# Altium PCB Copy of DIOT_temperature_logger.PcbDoc (part 6 of 7)
Units mm, origin at the board's own origin, x right, y up, seen from the top; angles counter-clockwise.
Board outline 301.1 x 109.1 mm, 4 copper layers (TOP, MID1, MID2, BOT), stack 1.564 mm thick; 651 components, 619 nets, 2526 pads, 1345 vias.
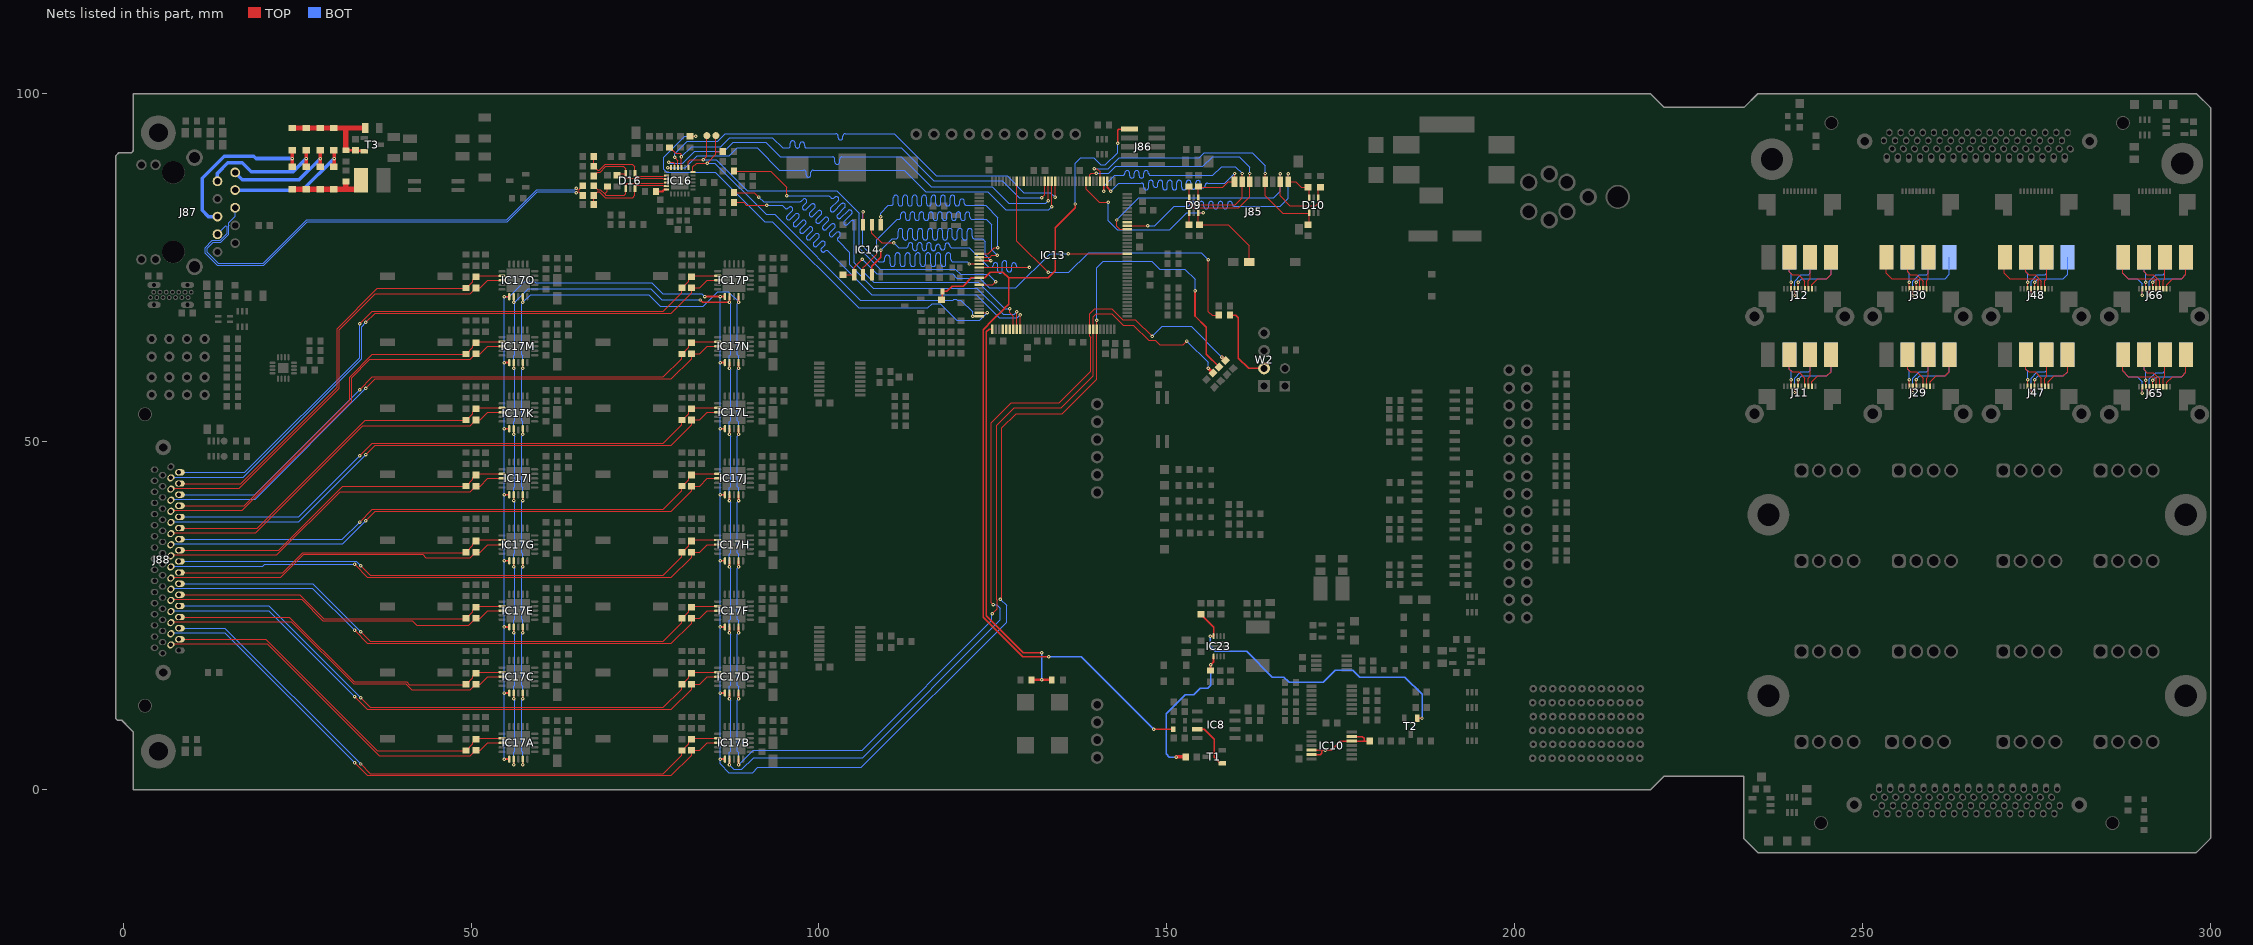
[diagram p8: the nets of this part, all layers, seen from the top]

## Via types
v1: diameter 0.5, hole 0.2, TOP to BOT, tented both sides, 1333 vias
v2: diameter 0.66, hole 0.33, TOP to BOT, tented both sides, 6 vias
v3: diameter 0.6, hole 0.3, TOP to BOT, tented both sides, 6 vias

## Nets (pads, with @x,y where several pads share a name; then routed paths per layer and width w, separated by ;. In a path a pad name is that pad's centre, name@x,y a point inside that pad or via, vN(x,y) a via of type N, cw(c..) or ccw(c..) an arc to the next point about the centre after c; other vN are vias at no path point) (continued)
PFORCE_N12: J65.2 J67.1 | length 8.3
  TOP w0.152: J65.2@290.225,57.901 J65.2@290.25,57.925 v1(290.25,57.001)
  BOT w0.152: J67.1@287.4,62.426 287.4,60.175 288.2,59.375 289.525,59.375 290.25,58.65 v1(290.25,57.001)
PFORCE_N13: J66.2 J68.1 | length 8.3
  TOP w0.152: J66.2@290.225,71.976 290.25,72.001 v1(290.25,71.076)
  BOT w0.152: J68.1@287.4,76.501 287.4,74.25 288.2,73.45 289.525,73.45 290.25,72.725 v1(290.25,71.076)
PFORCE_N14: J65.6 J75.1 | length 8.7
  TOP w0.152: J75.1@287.4,62.426 287.4,60.175 288.2,59.375 291.925,59.375 292.25,59.05 J65.6@292.25,57.925
PFORCE_N15: J66.9 J82.1 | length 6.4
  TOP w0.152: J66.9@293.75,72.001 293.75,72.6 294.6,73.45 295.9,73.45 296.5,74.05 J82.1@296.5,76.5
PFORCE_P00: J11.5 J19.1 | length 8.6
  TOP w0.152: J11.5@240.76,58 v1(240.76,58.925)
  BOT w0.152: v1(240.76,58.925) 241.285,59.45 244.9,59.45 245.5,60.05 J19.1@245.5,62.5
PFORCE_P01: J12.5 J20.1 | length 8.6
  TOP w0.152: J12.5@240.76,72.001 v1(240.76,72.925)
  BOT w0.152: v1(240.76,72.925) 241.285,73.45 244.9,73.45 245.5,74.05 J20.1@245.5,76.5
PFORCE_P02: J11.9 J27.1 | length 6.4
  TOP w0.152: J11.9@242.75,58 242.75,58.6 243.6,59.45 244.9,59.45 245.5,60.05 J27.1@245.5,62.5
PFORCE_P03: J12.9 J28.1 | length 6.4
  TOP w0.152: J12.9@242.75,72.001 242.75,72.6 243.6,73.45 244.9,73.45 245.5,74.05 J28.1@245.5,76.5
PFORCE_P04: J29.5 J37.1 | length 8.6
  TOP w0.152: J29.5@257.76,58 v1(257.76,58.925)
  BOT w0.152: v1(257.76,58.925) 258.285,59.45 261.9,59.45 262.5,60.05 J37.1@262.5,62.5
PFORCE_P05: J30.5 J38.1 | length 8.6
  TOP w0.152: J30.5@257.76,72.001 v1(257.76,72.925)
  BOT w0.152: v1(257.76,72.925) 258.285,73.45 261.9,73.45 262.5,74.05 J38.1@262.5,76.5
PFORCE_P06: J29.9 J45.1 | length 6.4
  TOP w0.152: J29.9@259.75,58 259.75,58.6 260.6,59.45 261.9,59.45 262.5,60.05 J45.1@262.5,62.5
PFORCE_P07: J30.6 J40.1 | length 8.7
  TOP w0.152: J40.1@253.4,76.501 253.4,74.25 254.2,73.45 257.925,73.45 258.25,73.125 J30.6@258.25,72.001
PFORCE_P08: J47.5 J55.1 | length 8.6
  TOP w0.152: J47.5@274.76,58 v1(274.76,58.925)
  BOT w0.152: v1(274.76,58.925) 275.285,59.45 278.9,59.45 279.5,60.05 J55.1@279.5,62.5
PFORCE_P09: J48.5 J56.1 | length 8.6
  TOP w0.152: J48.5@274.76,72.001 v1(274.76,72.925)
  BOT w0.152: v1(274.76,72.925) 275.285,73.45 278.9,73.45 279.5,74.05 J56.1@279.5,76.5
PFORCE_P10: J47.9 J63.1 | length 6.4
  TOP w0.152: J47.9@276.75,58 276.75,58.6 277.6,59.45 278.9,59.45 279.5,60.05 J63.1@279.5,62.5
PFORCE_P11: J48.6 J58.1 | length 8.7
  TOP w0.152: J58.1@270.4,76.501 270.4,74.25 271.2,73.45 274.925,73.45 275.25,73.125 J48.6@275.25,72.001
PFORCE_P12: J65.5 J73.1 | length 8.6
  TOP w0.152: J65.5@291.76,57.925 v1(291.76,58.85)
  BOT w0.152: v1(291.76,58.85) 292.285,59.375 295.9,59.375 296.5,59.975 J73.1@296.5,62.426
PFORCE_P13: J66.5 J74.1 | length 8.6
  TOP w0.152: J66.5@291.76,72.001 v1(291.76,72.925)
  BOT w0.152: v1(291.76,72.925) 292.285,73.45 295.9,73.45 296.5,74.05 J74.1@296.5,76.5
PFORCE_P14: J65.9 J81.1 | length 6.4
  TOP w0.152: J65.9@293.75,57.925 293.75,58.525 294.6,59.375 295.9,59.375 296.5,59.975 J81.1@296.5,62.426
PFORCE_P15: J66.6 J76.1 | length 8.7
  TOP w0.152: J76.1@287.4,76.501 287.4,74.25 288.2,73.45 291.925,73.45 292.25,73.125 J66.6@292.25,72.001
PGOOD: IC23.7 R152.1 T2.1 | length 44.6
  TOP w0.2: R152.1@154.9,25.2 156.75,23.35 IC23.7@156.75,22.05 v1(156.275,22.05) ; T2.1@186.05,10.25 v1(186.7,10.25)
  BOT w0.2: v1(156.275,22.05) 156.275,20.625 157,19.9 161.475,19.9 165.2,16.175 166.848,16.175 167.623,15.4 172.525,15.4 174.25,17.125 176.775,17.125 177.725,16.175 184.225,16.175 186.7,13.7 v1(186.7,10.25)
PHY_NRST: IC13.129 IC16.15 R110.2 | length 65.8
  TOP w0.171: R110.2@78.5,92.3 78.865,91.935 78.965,91.935 79.45,91.45 80.1,91.45 80.238,91.312 80.238,90.962 v1(80.25,90.95) IC16.15@80.25,89.4 ; v1(132.025,85.05) 132.475,85.5 132.475,87.4 IC13.129@132.45,87.425
  BOT w0.171: v1(80.25,90.95) 81.725,92.425 85.925,92.425 87.225,93.725 93.275,93.725 94.775,92.225 95.475,92.225 95.56,92.225 ccw(c95.56,92.564) 95.9,92.564 95.9,92.919 cw(c96.239,92.919) 96.239,93.258 cw(c96.239,92.919) 96.578,92.919 96.578,92.548 ccw(c96.918,92.548) 96.918,92.209 ccw(c96.918,92.548) 97.257,92.548 97.257,92.751 cw(c97.596,92.751) 97.596,93.09 cw(c97.596,92.751) 97.936,92.751 97.936,92.564 ccw(c98.275,92.564) 98.275,92.225 99.512,92.225 111.825,92.225 116.55,87.5 126.375,87.5 128.825,85.05 v1(132.025,85.05)
PHY_RD_N: D16.1 IC16.22 R103.1 R112.1 | length 13.8
  TOP w0.127: R103.1@67.65,86.8 68.21,86.24 68.559,86.24 69.187,85.612 ; R112.1@69.6,86.7 69.6,86.025 69.187,85.612 ; IC16.22@78.1,87.25 77.691,87.25 77.571,87.129 72.441,87.129 72.25,86.939 D16.1@72.25,86.4 72.25,85.65 72,85.4 69.399,85.4 69.187,85.612
PHY_RD_P: D16.3 IC16.23 R101.1 R113.1 | length 13.8
  TOP w0.127: R113.1@67.65,84.1 R101.1@67.65,85.4 68.21,85.96 68.444,85.96 69.304,85.1 73.225,85.1 73.55,85.425 D16.3@73.55,86.4 73.55,86.647 73.753,86.85 77.591,86.85 77.691,86.75 IC16.23@78.1,86.75
PHY_TD_N: D16.4 IC16.20 R97.1 R115.1 | length 13.9
  TOP w0.127: R115.1@67.65,91 R97.1@67.65,89.6 68.21,89.04 68.444,89.04 69.279,89.875 73.171,89.875 73.55,89.496 D16.4@73.55,88.6 73.55,88.356 73.763,88.144 77.585,88.144 77.691,88.25 IC16.20@78.1,88.25
PHY_TD_P: D16.6 IC16.21 R96.1 R114.1 | length 13.8
  TOP w0.127: R96.1@67.65,88.2 68.21,88.76 68.559,88.76 69.374,89.575 71.9,89.575 72.25,89.225 D16.6@72.25,88.6 D16.6@72.2,88.55 ; R114.1@71,88.3 71.2,88.5 72.15,88.5 D16.6@72.2,88.55 ; IC16.21@78.1,87.75 77.691,87.75 77.581,87.86 72.39,87.86 72.2,88.05 D16.6@72.2,88.55
POE_IN1: D12.2 D17.1 J87.5 | length 24
  TOP w0.508: D12.2@24.2,89.5 D12.2@24.225,89.525 ; D12.2@24.325,89.525 v1(24.325,90.713) D17.1@24.325,91.9
  BOT w0.508: J87.5@13.496,82.365 12.258,82.365 11.35,83.273 11.35,87.875 14.525,91.05 18.775,91.05 19.112,90.713 v1(24.325,90.713)
POE_IN2: D13.2 D18.1 J87.8 | length 18.5
  TOP w0.5: D13.2@30.2,89.5 D13.2@30.225,89.525 ; D13.2@30.325,89.525 v1(30.325,90.713) D18.1@30.325,91.9
  BOT w0.508: J87.8@16.115,86.15 25.762,86.15 v1(30.325,90.713)
POE_IN3: D14.2 D19.1 J87.10 | length 16.3
  TOP w0.508: D14.2@28.3,89.5 v1(28.3,90.7) D19.1@28.3,91.9
  BOT w0.508: J87.10@16.09,88.715 17.13,87.675 25.275,87.675 v1(28.3,90.7)
POE_IN4: D15.2 D20.1 J87.9 | length 18.3
  TOP w0.508: D15.2@26.2,89.5 D15.2@26.225,89.525 ; D15.2@26.325,89.525 v1(26.325,90.713) D20.1@26.325,91.9
  BOT w0.508: J87.9@13.55,87.445 13.55,88.6 15.05,90.1 17.125,90.1 18.425,88.8 24.412,88.8 v1(26.325,90.713)
POE_PWR_SRC: IC13.37 R145.1 R146.2 | length 58.8
  TOP w0.2: IC13.37@124.95,66.175 124.475,66.175 124.075,65.775 124.075,24.95 129.375,19.65 v1(132.025,19.65)
  TOP w0.4: R145.1@130.575,15.775 v1(132.025,15.775) R146.2@133.475,15.775
  BOT w0.2: v1(132.025,15.775) v1(132.025,19.65)
POE_VC+: D12.1 D13.1 D14.1 D15.1 L7.1 R143.2 | length 11.9
  TOP w0.762: D12.1@24.3,86.3 D15.1@26.3,86.3 D14.1@28.3,86.3 D13.1@30.3,86.3 32.026,86.3 ; R143.2@32,87.4 32,86.326 32.026,86.3 ; L7.1@34.2,87.6 34.2,86.919 33.581,86.3 32.026,86.3
POE_VC-: D17.2 D18.2 D19.2 D20.2 R147.1 R149.1 R150.1 T3.2 | length 16.2
  TOP w0.4: R149.1@32,91.9 R150.1@33.4,91.9 ; R150.1@33.475,91.825 T3.2@34.575,91.825
  TOP w0.762: D17.2@24.3,95.1 D20.2@26.3,95.1 D19.2@28.3,95.1 D18.2@30.3,95.1 34.706,95.1 34.8,95.006 R147.1@34.8,95 ; R149.1@32,91.9 32,95.026
PRTDIN_N00: J11.3 J15.1 | length 4.6
  TOP w0.152: J11.3@239.75,58 v1(239.75,58.925)
  BOT w0.152: J15.1@239.5,62.5 239.5,60.425 239.75,60.175 v1(239.75,58.925)
PRTDIN_N01: J12.3 J16.1 | length 4.6
  TOP w0.152: J12.3@239.75,72.001 v1(239.75,72.925)
  BOT w0.152: J16.1@239.5,76.5 239.5,74.425 239.75,74.175 v1(239.75,72.925)
PRTDIN_N02: J11.7 J23.1 | length 6
  TOP w0.152: J23.1@239.5,62.5 239.5,60.425 239.9,60.025 240.825,60.025 241.75,59.1 J11.7@241.75,58
PRTDIN_N03: J12.7 J24.1 | length 6
  TOP w0.152: J24.1@239.5,76.5 239.5,74.425 239.9,74.025 240.825,74.025 241.75,73.1 J12.7@241.75,72.001
PRTDIN_N04: J29.3 J33.1 | length 4.6
  TOP w0.152: J29.3@256.75,58 v1(256.75,58.925)
  BOT w0.152: J33.1@256.5,62.5 256.5,60.425 256.75,60.175 v1(256.75,58.925)
PRTDIN_N05: J30.3 J34.1 | length 4.6
  TOP w0.152: J30.3@256.75,72.001 v1(256.75,72.925)
  BOT w0.152: J34.1@256.5,76.5 256.5,74.425 256.75,74.175 v1(256.75,72.925)
PRTDIN_N06: J29.7 J41.1 | length 6
  TOP w0.152: J41.1@256.5,62.5 256.5,60.425 256.9,60.025 257.825,60.025 258.75,59.1 J29.7@258.75,58
PRTDIN_N07: J30.8 J44.1 | length 4.6
  TOP w0.152: J30.8@259.25,72.001 259.25,73.15 259.5,73.4 J44.1@259.5,76.5
PRTDIN_N08: J47.3 J51.1 | length 4.6
  TOP w0.152: J47.3@273.75,58 v1(273.75,58.925)
  BOT w0.152: J51.1@273.5,62.5 273.5,60.425 273.75,60.175 v1(273.75,58.925)
PRTDIN_N09: J48.3 J52.1 | length 4.6
  TOP w0.152: J48.3@273.75,72.001 v1(273.75,72.925)
  BOT w0.152: J52.1@273.5,76.5 273.5,74.425 273.75,74.175 v1(273.75,72.925)
PRTDIN_N10: J47.7 J59.1 | length 6
  TOP w0.152: J59.1@273.5,62.5 273.5,60.425 273.9,60.025 274.825,60.025 275.75,59.1 J47.7@275.75,58
PRTDIN_N11: J48.8 J62.1 | length 4.6
  TOP w0.152: J48.8@276.25,72.001 276.25,73.15 276.5,73.4 J62.1@276.5,76.5
PRTDIN_N12: J65.3 J69.1 | length 4.6
  TOP w0.152: J65.3@290.75,57.925 v1(290.75,58.85)
  BOT w0.152: J69.1@290.5,62.426 290.5,60.35 290.75,60.1 v1(290.75,58.85)
PRTDIN_N13: J66.3 J70.1 | length 4.6
  TOP w0.152: J66.3@290.75,72.001 v1(290.75,72.925)
  BOT w0.152: J70.1@290.5,76.5 290.5,74.425 290.75,74.175 v1(290.75,72.925)
PRTDIN_N14: J65.7 J77.1 | length 6
  TOP w0.152: J77.1@290.5,62.426 290.5,60.35 290.9,59.95 291.825,59.95 292.75,59.025 J65.7@292.75,57.925
PRTDIN_N15: J66.8 J80.1 | length 4.6
  TOP w0.152: J66.8@293.25,72.001 293.25,73.15 293.5,73.4 J80.1@293.5,76.5
PRTDIN_P00: J11.4 J17.1 | length 7.9
  TOP w0.152: v1(240.25,57.076) J11.4@240.25,58
  BOT w0.152: v1(240.25,57.076) 240.25,59.1 241.175,60.025 242.261,60.025 242.5,60.264 J17.1@242.5,62.5
PRTDIN_P01: J12.4 J18.1 | length 7.9
  TOP w0.152: v1(240.25,71.076) J12.4@240.25,72.001
  BOT w0.152: v1(240.25,71.076) 240.25,73.101 241.175,74.025 242.261,74.025 242.5,74.265 J18.1@242.5,76.5
PRTDIN_P02: J11.8 J25.1 | length 4.6
  TOP w0.152: J11.8@242.25,58 242.25,59.15 242.5,59.4 J25.1@242.5,62.5
PRTDIN_P03: J12.8 J26.1 | length 4.6
  TOP w0.152: J12.8@242.25,72.001 242.25,73.15 242.5,73.4 J26.1@242.5,76.5
PRTDIN_P04: J29.4 J35.1 | length 7.9
  TOP w0.152: v1(257.25,57.076) J29.4@257.25,58
  BOT w0.152: v1(257.25,57.076) 257.25,59.1 258.175,60.025 259.261,60.025 259.5,60.264 J35.1@259.5,62.5
PRTDIN_P05: J30.4 J36.1 | length 7.9
  TOP w0.152: v1(257.25,71.076) J30.4@257.25,72.001
  BOT w0.152: v1(257.25,71.076) 257.25,73.101 258.175,74.025 259.261,74.025 259.5,74.265 J36.1@259.5,76.5
PRTDIN_P06: J29.8 J43.1 | length 4.6
  TOP w0.152: J29.8@259.25,58 259.25,59.15 259.5,59.4 J43.1@259.5,62.5
PRTDIN_P07: J30.7 J42.1 | length 6
  TOP w0.152: J42.1@256.5,76.5 256.5,74.425 256.9,74.025 257.825,74.025 258.75,73.1 J30.7@258.75,72.001
PRTDIN_P08: J47.4 J53.1 | length 7.9
  TOP w0.152: v1(274.25,57.076) J47.4@274.25,58
  BOT w0.152: v1(274.25,57.076) 274.25,59.1 275.175,60.025 276.261,60.025 276.5,60.264 J53.1@276.5,62.5
PRTDIN_P09: J48.4 J54.1 | length 7.9
  TOP w0.152: v1(274.25,71.076) J48.4@274.25,72.001
  BOT w0.152: v1(274.25,71.076) 274.25,73.101 275.175,74.025 276.261,74.025 276.5,74.265 J54.1@276.5,76.5
PRTDIN_P10: J47.8 J61.1 | length 4.6
  TOP w0.152: J47.8@276.25,58 276.25,59.15 276.5,59.4 J61.1@276.5,62.5
PRTDIN_P11: J48.7 J60.1 | length 6
  TOP w0.152: J60.1@273.5,76.5 273.5,74.425 273.9,74.025 274.825,74.025 275.75,73.1 J48.7@275.75,72.001
PRTDIN_P12: J65.4 J71.1 | length 7.9
  TOP w0.152: v1(291.25,57.001) J65.4@291.25,57.925
  BOT w0.152: v1(291.25,57.001) 291.25,59.026 292.175,59.95 293.261,59.95 293.5,60.19 J71.1@293.5,62.426
PRTDIN_P13: J66.4 J72.1 | length 7.9
  TOP w0.152: v1(291.25,71.076) J66.4@291.25,72.001
  BOT w0.152: v1(291.25,71.076) 291.25,73.101 292.175,74.025 293.261,74.025 293.5,74.265 J72.1@293.5,76.5
PRTDIN_P14: J65.8 J79.1 | length 4.6
  TOP w0.152: J65.8@293.25,57.925 293.25,59.075 293.5,59.325 J79.1@293.5,62.426
PRTDIN_P15: J66.7 J78.1 | length 6
  TOP w0.152: J78.1@290.5,76.5 290.5,74.425 290.9,74.025 291.825,74.025 292.75,73.1 J66.7@292.75,72.001
PSU_EN: IC23.8 R33.2 R151.1 | length 22
  TOP w0.3: R151.1@156.3,17.1 156.3,17.906 v1(156.313,17.919) 156.75,18.356 IC23.8@156.75,19.15
  TOP w0.5: v1(151.35,4.675) 151.35,4.7 R33.2@152.725,4.7
  BOT w0.2: v1(151.35,4.675) 150.375,4.675 149.925,5.125 149.925,10.873 152.702,13.65 153.925,13.65 154.85,14.575 155.925,14.575 156.313,14.963 v1(156.313,17.919)
QSPI_BK1_CLK: IC13.22 IC14.6 | length 45.9
  TOP w0.171: IC14.6@107.635,81.2 107.635,79.99 109.05,78.575 v1(110.775,78.575) ; IC13.22@123.075,75.05 v1(130.275,75.05)
  BOT w0.152: v1(110.775,78.575) 111.45,77.9 112.444,77.9 112.52,77.9 ccw(c112.52,78.23) 112.85,78.23 112.85,78.272 cw(c113.18,78.272) 113.51,78.272 113.51,77.798 ccw(c113.841,77.798) 114.171,77.798 114.171,78.272 cw(c114.501,78.272) 114.831,78.272 114.831,77.798 ccw(c115.161,77.798) 115.492,77.798 115.492,78.272 cw(c115.822,78.272) 116.152,78.272 116.152,77.798 ccw(c116.482,77.798) 116.812,77.798 116.812,78.036 cw(c117.143,78.036) 117.473,78.036 117.473,77.9 ccw(c117.803,77.9) 118.133,77.9 118.133,78.23 cw(c118.463,78.23) 118.794,78.23 ccw(c119.124,78.23) 119.124,77.9 121.141,77.9 121.6,77.9 124.45,75.05 124.651,75.05 124.727,75.05 ccw(c124.727,75.38) 125.058,75.38 125.058,75.397 cw(c125.388,75.397) 125.718,75.397 125.718,74.548 ccw(c126.048,74.548) 126.378,74.548 126.378,75.694 cw(c126.709,75.694) 127.039,75.694 127.039,74.73 ccw(c127.369,74.73) 127.699,74.73 127.699,75.38 cw(c128.029,75.38) 128.36,75.38 ; 128.36,75.38 ccw(c128.69,75.38) 128.69,75.05 130.267,75.05 v1(130.275,75.05)
QSPI_BK1_D0: IC13.18 IC14.5 | length 45.7
  TOP w0.171: v1(108.9,82.35) 108.905,82.345 IC14.5@108.905,81.2 ; IC13.18@123.075,77.05 124.37,77.05 125.22,77.9 v1(125.725,77.9)
  BOT w0.171: v1(108.9,82.35) 108.875,82.375 108.875,82.85 110,83.975 110.3,83.975 110.385,83.975 ccw(c110.385,84.314) 110.725,84.314 110.725,85.094 cw(c111.064,85.094) 111.403,85.094 111.403,84.235 ccw(c111.743,84.235) 112.082,84.235 112.082,85.094 cw(c112.421,85.094) 112.761,85.094 112.761,84.235 ccw(c113.1,84.235) 113.439,84.235 113.439,85.094 cw(c113.779,85.094) 114.118,85.094 114.118,84.235 ccw(c114.457,84.235) 114.796,84.235 114.796,85.094 cw(c115.136,85.094) 115.475,85.094 115.475,84.235 ccw(c115.814,84.235) 116.154,84.235 116.154,85.094 cw(c116.493,85.094) 116.832,85.094 116.832,84.235 ccw(c117.172,84.235) 117.511,84.235 117.511,85.094 cw(c117.85,85.094) 118.19,85.094 118.19,84.235 ccw(c118.529,84.235) 118.868,84.235 118.868,85.094 cw(c119.208,85.094) 119.547,85.094 119.547,84.235 ccw(c119.886,84.235) 120.226,84.235 120.226,84.545 cw(c120.565,84.545) 120.904,84.545 120.904,84.314 ccw(c121.244,84.314) 121.244,83.975 122.434,83.975 123.975,83.975 125.725,82.225 v1(125.725,77.9)
QSPI_BK1_D1: IC13.19 IC14.2 | length 45.9
  TOP w0.171: IC14.2@106.365,74 106.365,75.051 106.639,75.325 108.3,76.986 v1(108.3,78.1) ; IC13.19@123.075,76.55 124.606,76.55 124.881,76.825 v1(125.65,76.825)
  BOT w0.152: v1(108.3,78.1) 108.3,79 111.275,81.975 111.4,81.975 111.476,81.975 ccw(c111.476,82.305) 111.806,82.305 111.806,82.702 cw(c112.136,82.702) 112.466,82.702 112.466,82.144 ccw(c112.797,82.144) 113.127,82.144 113.127,82.702 cw(c113.457,82.702) 113.787,82.702 113.787,82.144 ccw(c114.117,82.144) 114.448,82.144 114.448,82.702 cw(c114.778,82.702) 115.108,82.702 115.108,82.144 ccw(c115.438,82.144) 115.768,82.144 115.768,82.702 cw(c116.099,82.702) 116.429,82.702 116.429,82.144 ccw(c116.759,82.144) 117.089,82.144 117.089,82.702 cw(c117.419,82.702) 117.75,82.702 117.75,82.144 ccw(c118.08,82.144) 118.41,82.144 118.41,82.702 cw(c118.74,82.702) 119.07,82.702 119.07,82.144 ccw(c119.401,82.144) 119.731,82.144 119.731,82.702 cw(c120.061,82.702) 120.391,82.702 120.391,82.144 ccw(c120.721,82.144) 121.052,82.144 121.052,82.678 cw(c121.382,82.678) 121.712,82.678 121.712,82.305 ccw(c122.042,82.305) 122.042,81.975 122.969,81.975 124.075,81.975 124.861,81.189 124.861,77.614 v1(125.65,76.825)
QSPI_BK1_D2: IC13.20 IC14.3 | length 45.8
  TOP w0.2: IC14.3@107.635,74 107.635,75.26 108.925,76.55 v1(108.925,77.525) ; IC13.20@123.075,76.05 v1(124.74,76.05) v1@124.8,76.05
  BOT w0.152: v1(108.925,77.525) 110.55,79.15 110.95,79.15 111.026,79.15 ccw(c111.026,79.506) 111.382,79.506 111.382,80.291 cw(c111.737,80.291) 112.093,80.291 112.093,79.349 ccw(c112.449,79.349) 112.804,79.349 112.804,80.291 cw(c113.16,80.291) 113.515,80.291 113.515,79.349 ccw(c113.871,79.349) 114.227,79.349 114.227,80.291 cw(c114.582,80.291) 114.938,80.291 114.938,79.349 ccw(c115.293,79.349) 115.649,79.349 115.649,80.291 cw(c116.005,80.291) 116.36,80.291 116.36,79.349 ccw(c116.716,79.349) 117.071,79.349 117.071,80.291 cw(c117.427,80.291) 117.783,80.291 117.783,79.349 ccw(c118.138,79.349) 118.494,79.349 118.494,80.291 cw(c118.849,80.291) 119.205,80.291 119.205,79.409 ccw(c119.561,79.409) 119.916,79.409 119.916,80.291 cw(c120.272,80.291) 120.627,80.291 120.627,79.349 ccw(c120.983,79.349) 121.339,79.349 121.339,80.291 cw(c121.694,80.291) 122.05,80.291 122.05,79.506 ccw(c122.405,79.506) 122.405,79.15 123.219,79.15 123.55,79.15 123.925,78.775 123.925,76.865 v1(124.74,76.05)
QSPI_BK1_D3: IC13.21 IC14.7 | length 45.7
  TOP w0.171: v1(106.35,83.075) 106.365,83.06 IC14.7@106.365,81.2 ; v1(121.625,75.55) IC13.21@123.075,75.55
  BOT w0.171: v1(106.35,83.075) 106.325,83.05 106.325,78.125 108.464,75.986 108.6,75.85 109.132,75.85 ccw(c109.132,76.215) 109.497,76.215 109.497,76.46 cw(c109.861,76.46) 110.226,76.46 110.226,75.554 ccw(c110.591,75.554) 110.956,75.554 110.956,76.783 cw(c111.32,76.783) 111.685,76.783 111.685,75.554 ccw(c112.05,75.554) 112.414,75.554 112.414,76.783 cw(c112.779,76.783) 113.144,76.783 113.144,75.554 ccw(c113.509,75.554) 113.873,75.554 113.873,76.783 cw(c114.238,76.783) 114.603,76.783 114.603,75.554 ccw(c114.967,75.554) 115.332,75.554 115.332,76.783 cw(c115.697,76.783) 116.062,76.783 116.062,75.554 ccw(c116.426,75.554) 116.791,75.554 116.791,76.783 cw(c117.156,76.783) 117.52,76.783 117.52,75.554 ccw(c117.885,75.554) 118.25,75.554 118.25,76.783 cw(c118.615,76.783) 118.979,76.783 118.979,76.215 ccw(c119.344,76.215) 119.344,75.85 120.159,75.85 121.325,75.85 v1(121.625,75.55)
QSPI_BK1_NSS: IC13.91 IC14.1 R76.1 | length 46.1
  TOP w0.171: R76.1@103.5,74 IC14.1@105.095,74 105.095,75.07 106.225,76.2 v1(106.225,76.225) ; v1(135.825,77.05) IC13.91@144.325,77.05
  BOT w0.171: v1(106.225,76.225) 108.325,74.125 119.225,74.125 119.85,73.5 123.125,73.5 124.525,72.1 128.325,72.1 133.275,77.05 v1(135.825,77.05)
RBIAS: IC16.24 R104.1 | length 1.6
  TOP w0.3: R104.1@76.6,86 76.625,85.975 77.525,85.975 77.8,86.25 IC16.24@78.1,86.25
RCC_MCO_1: IC13.100
RD_N: J87.6 R103.2 | length 68.2
  TOP w0.127: v1(65.1,86.414) 65.187,86.414 65.361,86.24 65.54,86.24 65.663,86.364 65.663,86.414 R103.2@66.05,86.8
  BOT w0.127: J87.6@16.09,83.635 16.09,82.411 15.17,81.491 15.17,81.086 15.2,81.057 15.2,79.82 14.035,78.655 12.93,78.655 12.063,77.788 12.063,77.24 13.636,75.667 20.117,75.667 26.366,81.916 55.109,81.916 59.433,86.24 64.926,86.24 v1(65.1,86.414)
RD_P: J87.3 R101.2 | length 67.4
  TOP w0.127: v1(65.1,85.787) 65.187,85.787 65.361,85.96 65.54,85.96 65.663,85.837 65.663,85.787 R101.2@66.05,85.4
  BOT w0.127: J87.3@13.55,79.825 14.74,81.016 14.846,81.016 14.92,80.941 14.92,79.936 13.919,78.935 12.814,78.935 11.783,77.903 11.783,77.125 13.52,75.388 20.233,75.388 26.481,81.636 55.224,81.636 59.548,85.96 64.926,85.96 v1(65.1,85.787)
RMII_CRS_DV: IC13.43 R105.1 | length 66
  TOP w0.171: R105.1@87.8,88.9 93.05,88.9 95.375,86.575 v1(95.375,85.35) ; v1(127.45,69.1) 127.45,68.525 127.95,68.025 IC13.43@127.95,66.175
  BOT w0.171: v1(95.375,85.35) 101.45,85.35 101.674,85.126 101.734,85.066 ccw(c101.974,85.306) 102.214,85.066 102.284,85.136 cw(c102.524,84.896) 102.764,85.136 cw(c102.524,84.896) 102.764,84.656 101.723,83.614 ccw(c101.963,83.375) 101.723,83.135 ccw(c101.963,83.375) 102.203,83.135 103.244,84.176 cw(c103.484,83.936) 103.724,84.176 cw(c103.484,83.936) 103.724,83.696 102.683,82.655 ccw(c102.923,82.415) 102.683,82.175 ccw(c102.923,82.415) 103.162,82.175 104.204,83.216 cw(c104.444,82.976) 104.684,83.216 cw(c104.444,82.976) 104.684,82.736 103.671,81.723 ccw(c103.911,81.484) 103.671,81.244 ccw(c103.911,81.484) 104.151,81.244 104.614,81.706 cw(c104.854,81.467) 105.094,81.706 105.095,81.705 105.095,81.004 105.095,75.755 107.925,72.925 122.9,72.925 126.725,69.1 v1(127.45,69.1)
RMII_MDC: B3.1 IC13.27 IC16.13 | length 61.6
  TOP w0.171: IC16.13@81.25,89.4 81.25,90.25 81.525,90.525 v1(83.375,90.525) 83.9,91.05 B3.1@83.9,94 ; IC13.27@123.075,72.55 125.025,72.55 v1(125.45,72.975)
  BOT w0.152: v1(83.375,90.525) 85.25,90.525 89.7,86.075 102.6,86.075 105.8,82.875 105.8,77.825 108.8,74.825 119.625,74.825 120.4,74.05 124.375,74.05 v1(125.45,72.975)
RMII_MDIO: B4.1 IC13.36 IC16.12 R107.2 | length 57.2
  TOP w0.171: IC16.12@81.9,88.75 81.9,89.525 82.425,90.05 v1(83.95,90.05) 85.2,91.3 85.2,91.7 ; B4.1@85.2,94 85.2,92.6 85.2,91.7 ; R107.2@86.2,91.7 85.2,91.7 ; v1(122.125,68.05) IC13.36@123.075,68.05
  BOT w0.152: v1(83.95,90.05) 85.067,90.05 92.442,82.675 93.65,82.675 105.975,70.35 119.284,70.35 119.387,70.453 119.763,70.453 119.866,70.35 120.425,70.35 122.125,68.65 v1(122.125,68.05)
RMII_REF_CLK: IC13.35 R109.1 | length 66.1
  TOP w0.171: R109.1@81.5,93.9 81.525,93.925 v1(82.325,93.925) ; IC13.35@123.075,68.55 124.2,68.55 v1(124.225,68.575)
  BOT w0.171: v1(82.325,93.925) 80.7,93.925 77.675,90.9 77.675,89.175 78.113,88.737 85.138,88.737 92.225,81.65 93.3,81.65 105.7,69.25 115.665,69.25 116.265,69.85 117.425,69.85 119.8,67.475 123.125,67.475 v1(124.225,68.575)